# Altium PCB RS_Sensor.PcbDoc
Units mm, origin at the board's own origin, x right, y up, seen from the top; angles counter-clockwise.
Board outline 76.71 x 82.3 mm, 2 copper layers (Top Layer, Bottom Layer), stack 1.58 mm thick; 135 components, 64 nets, 407 pads, 90 vias.
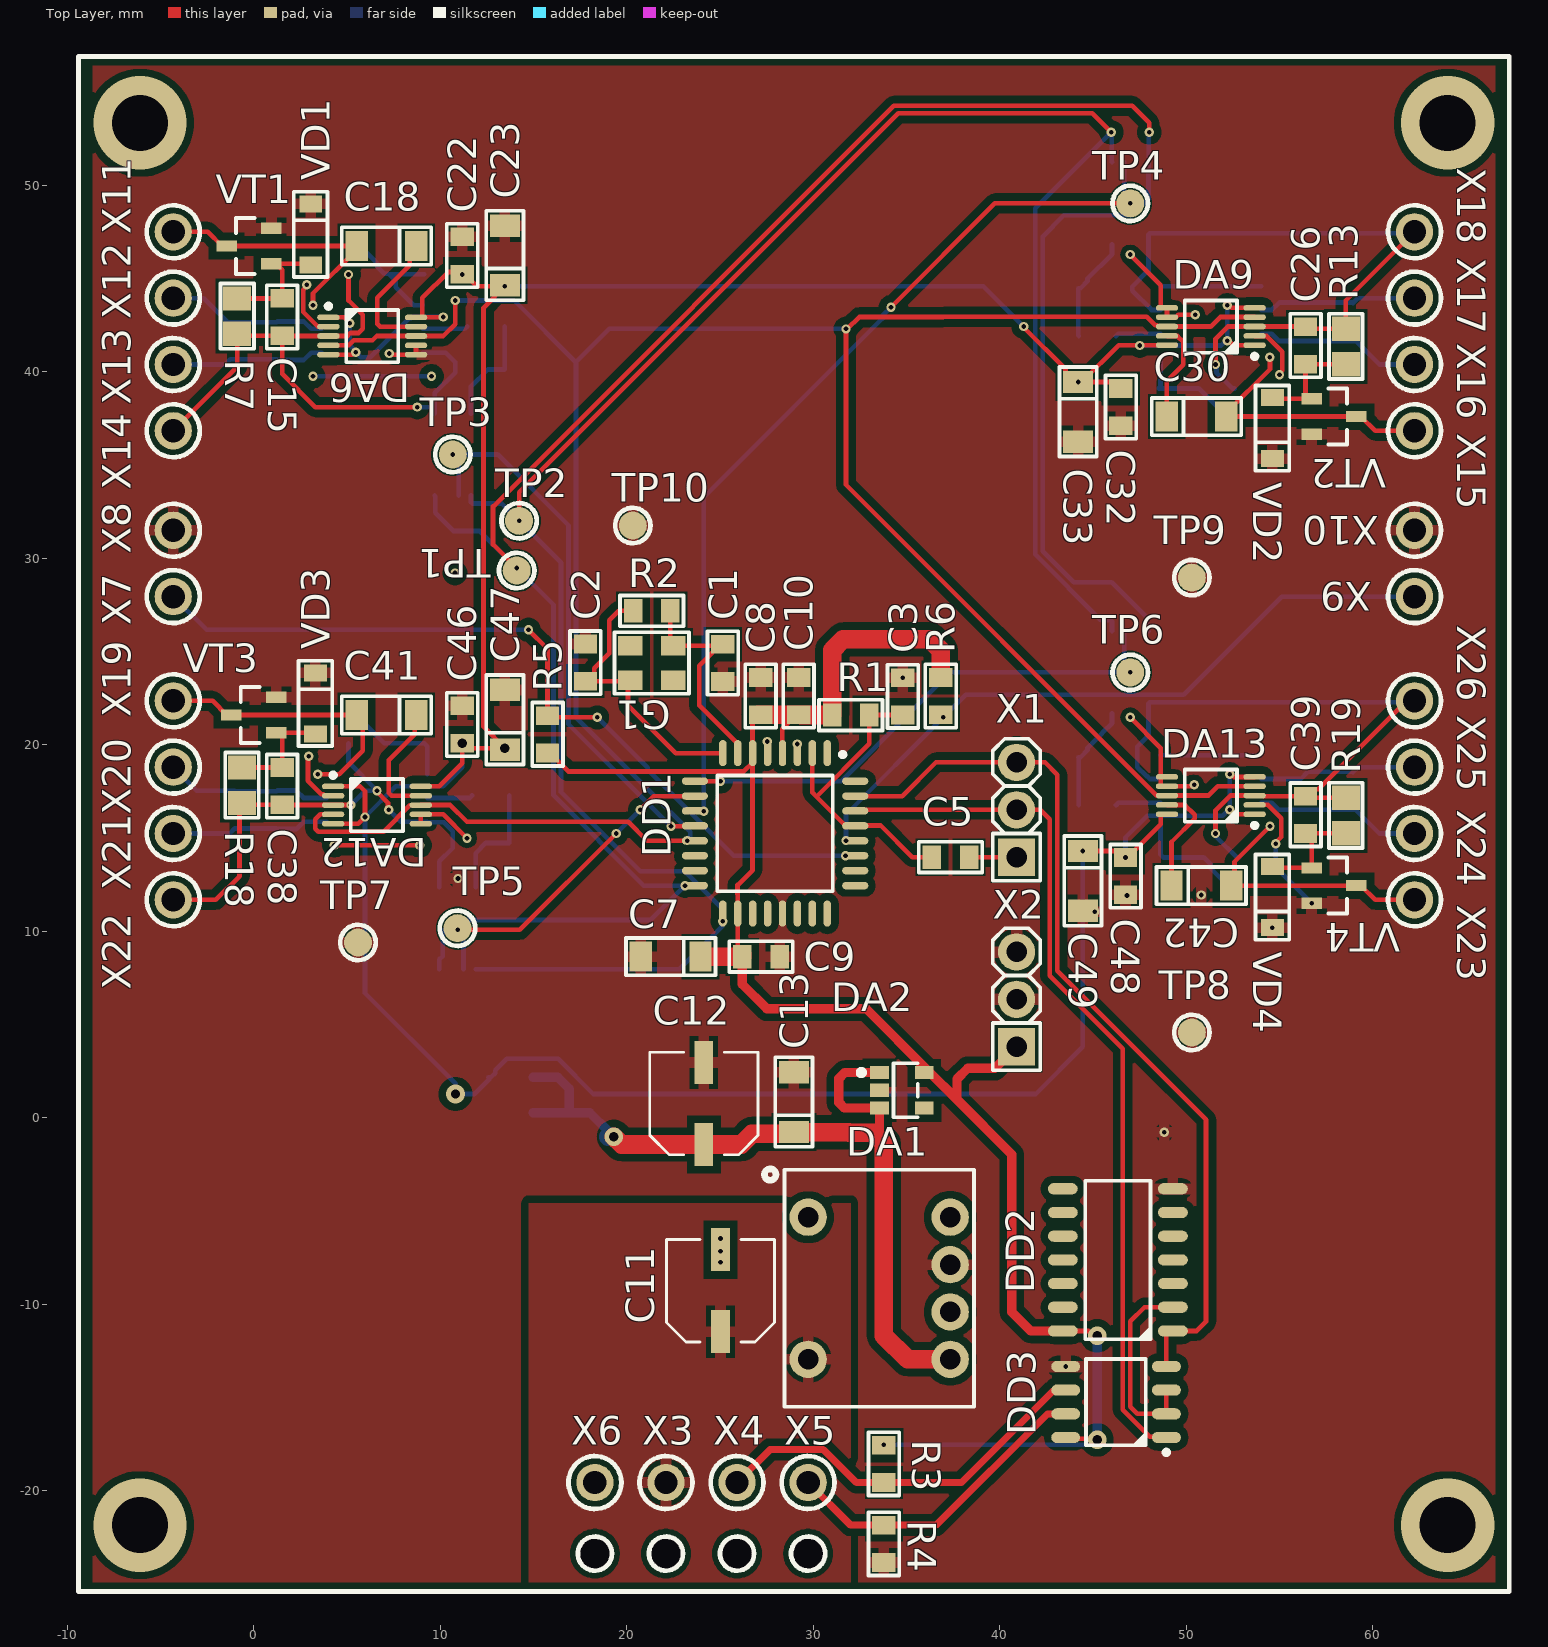
[diagram p0: Top Layer view]
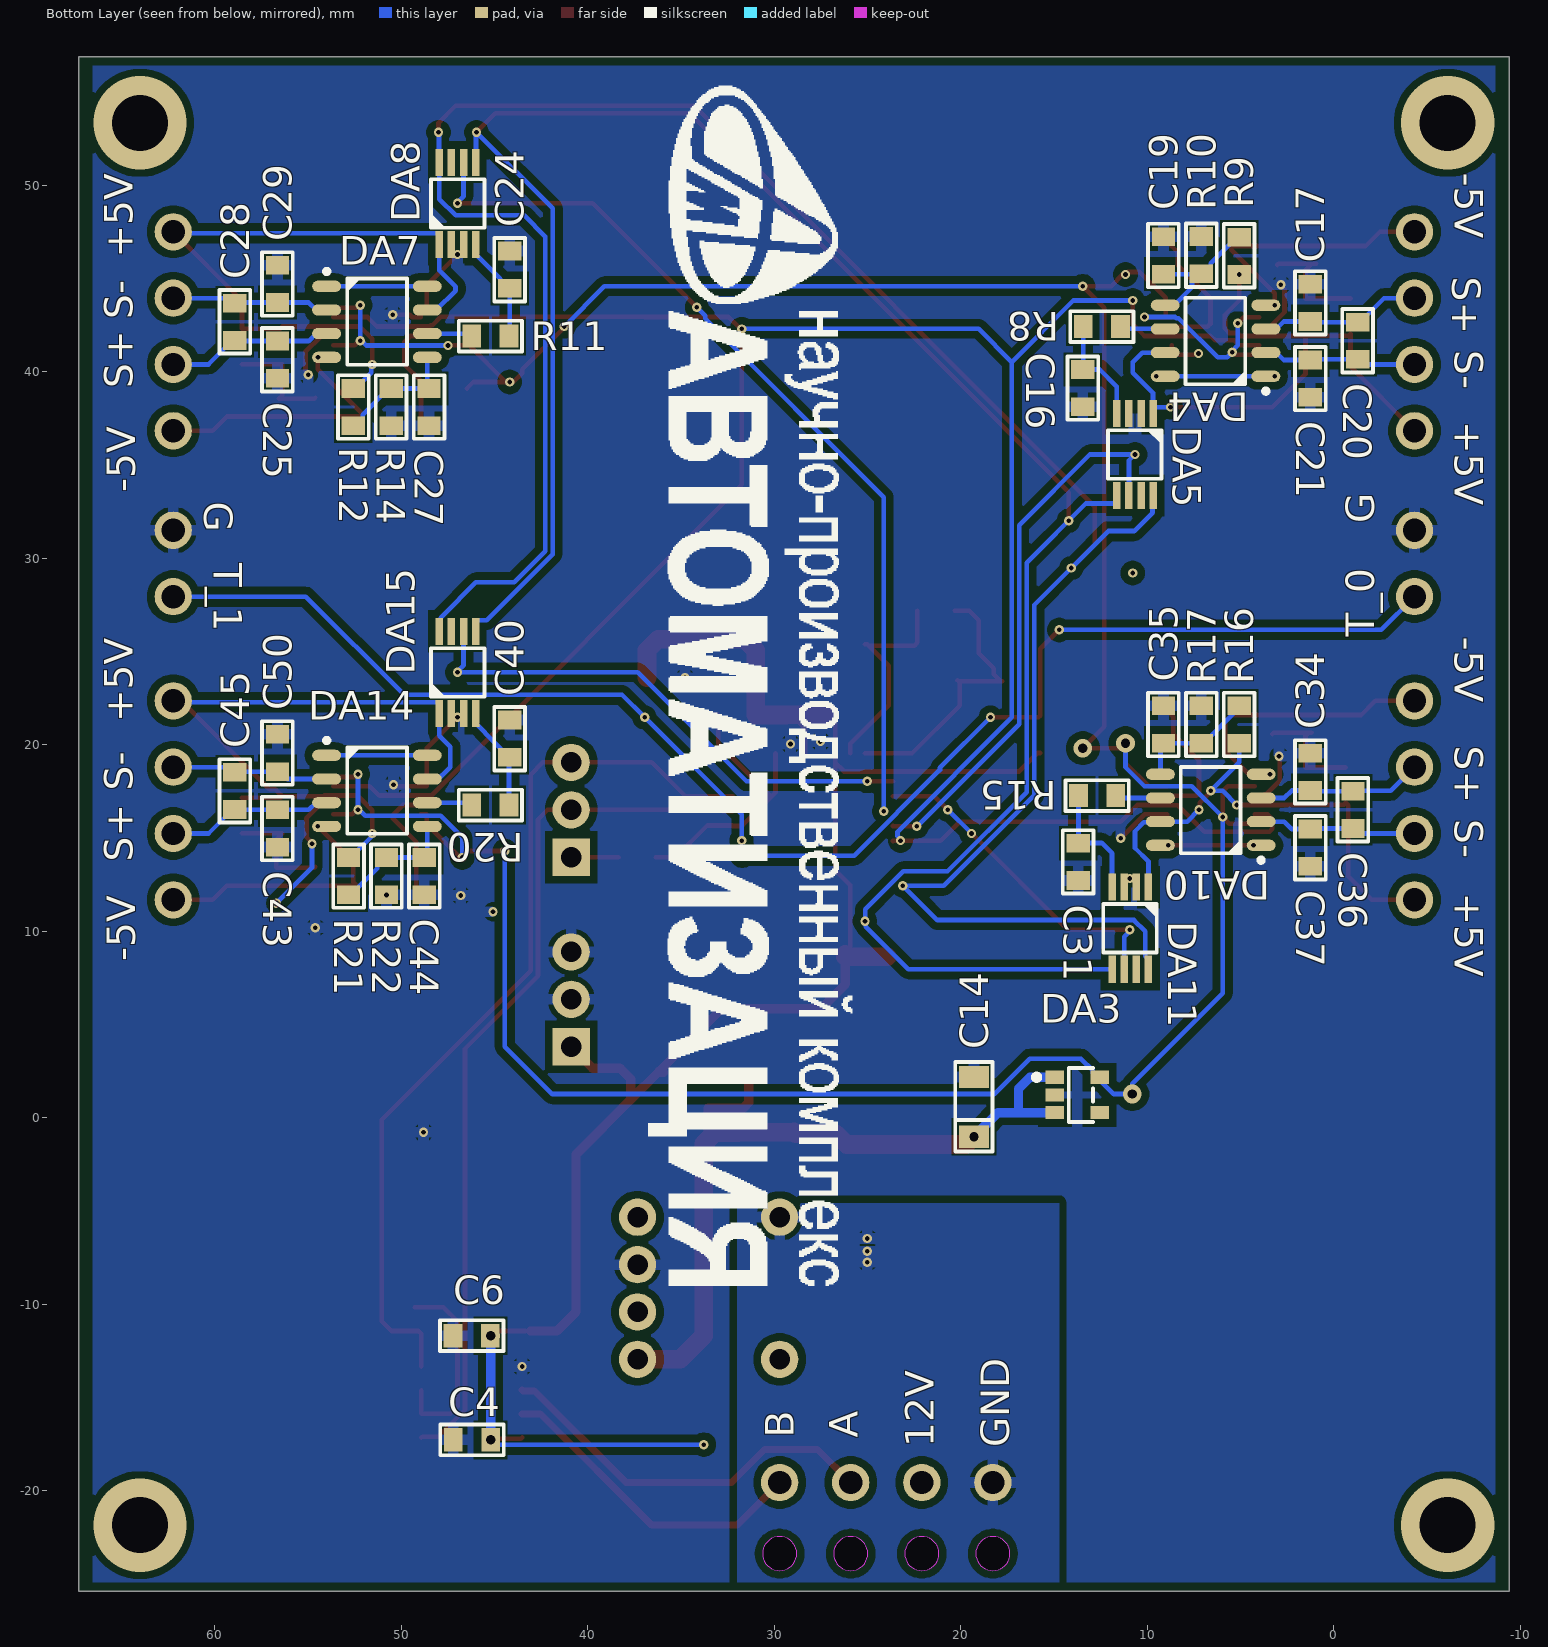
[diagram p1: Bottom Layer view, seen from below]
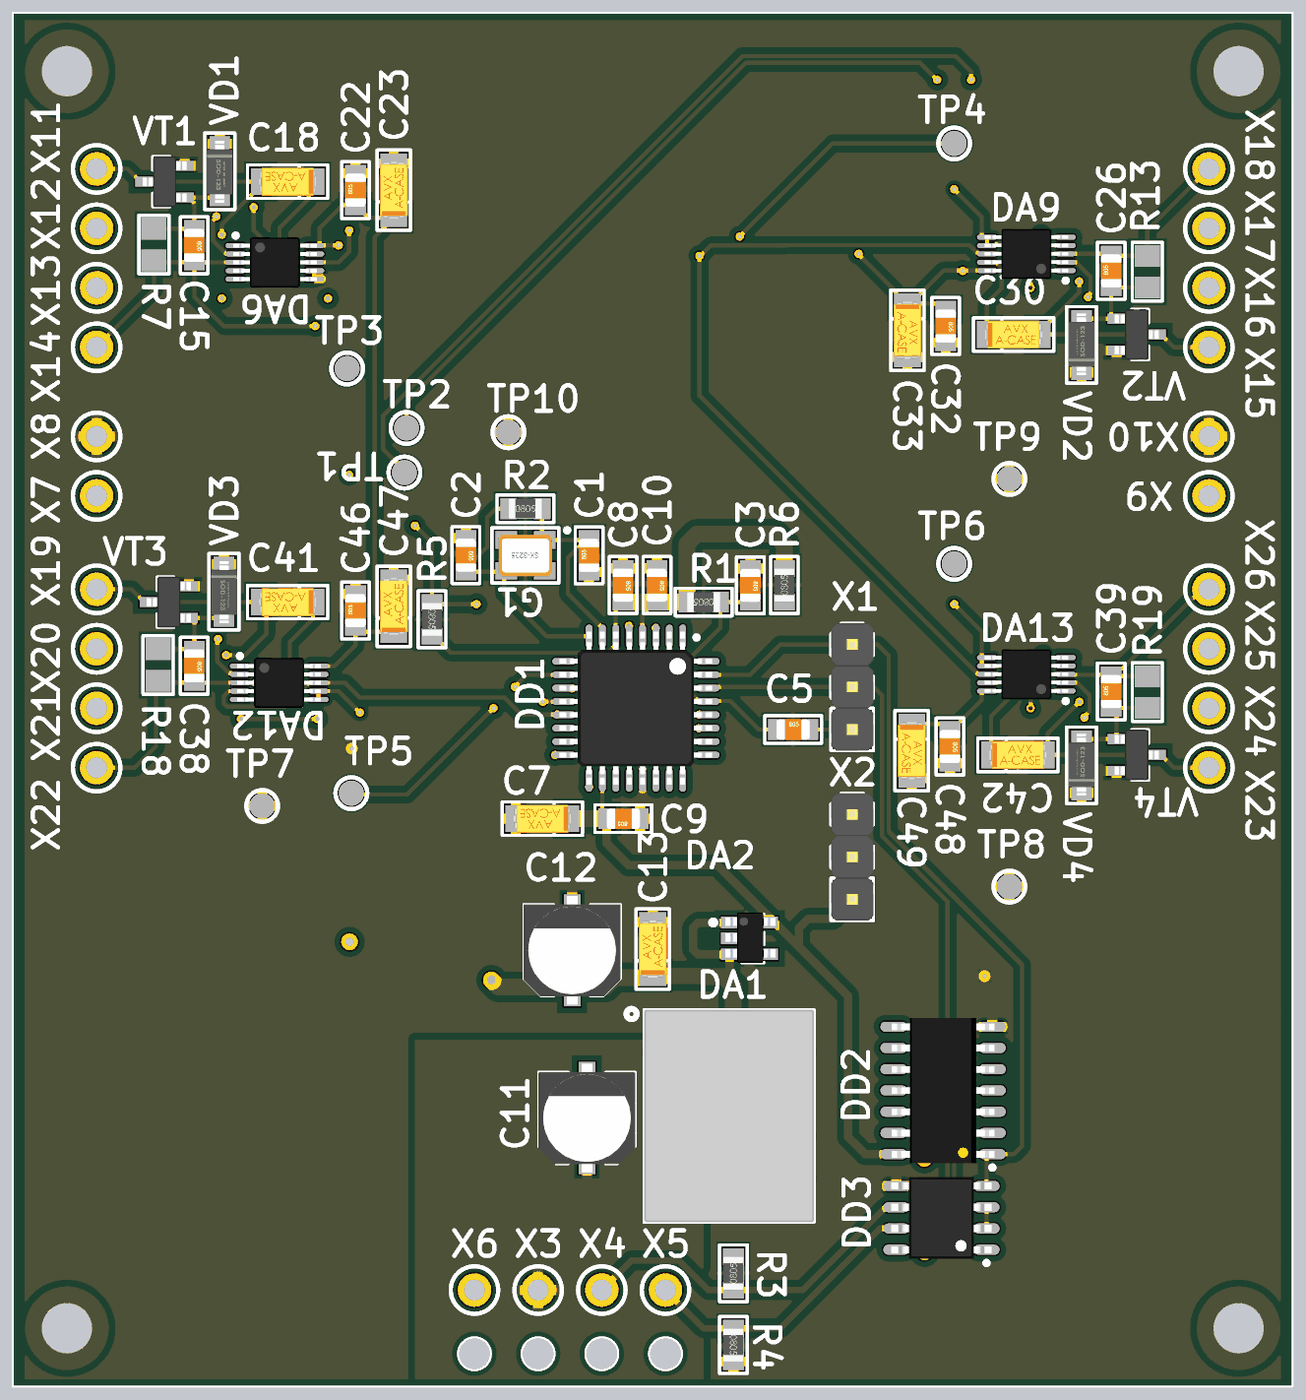
[diagram p2: 3D render of the assembled board from above, using the file's embedded part models]
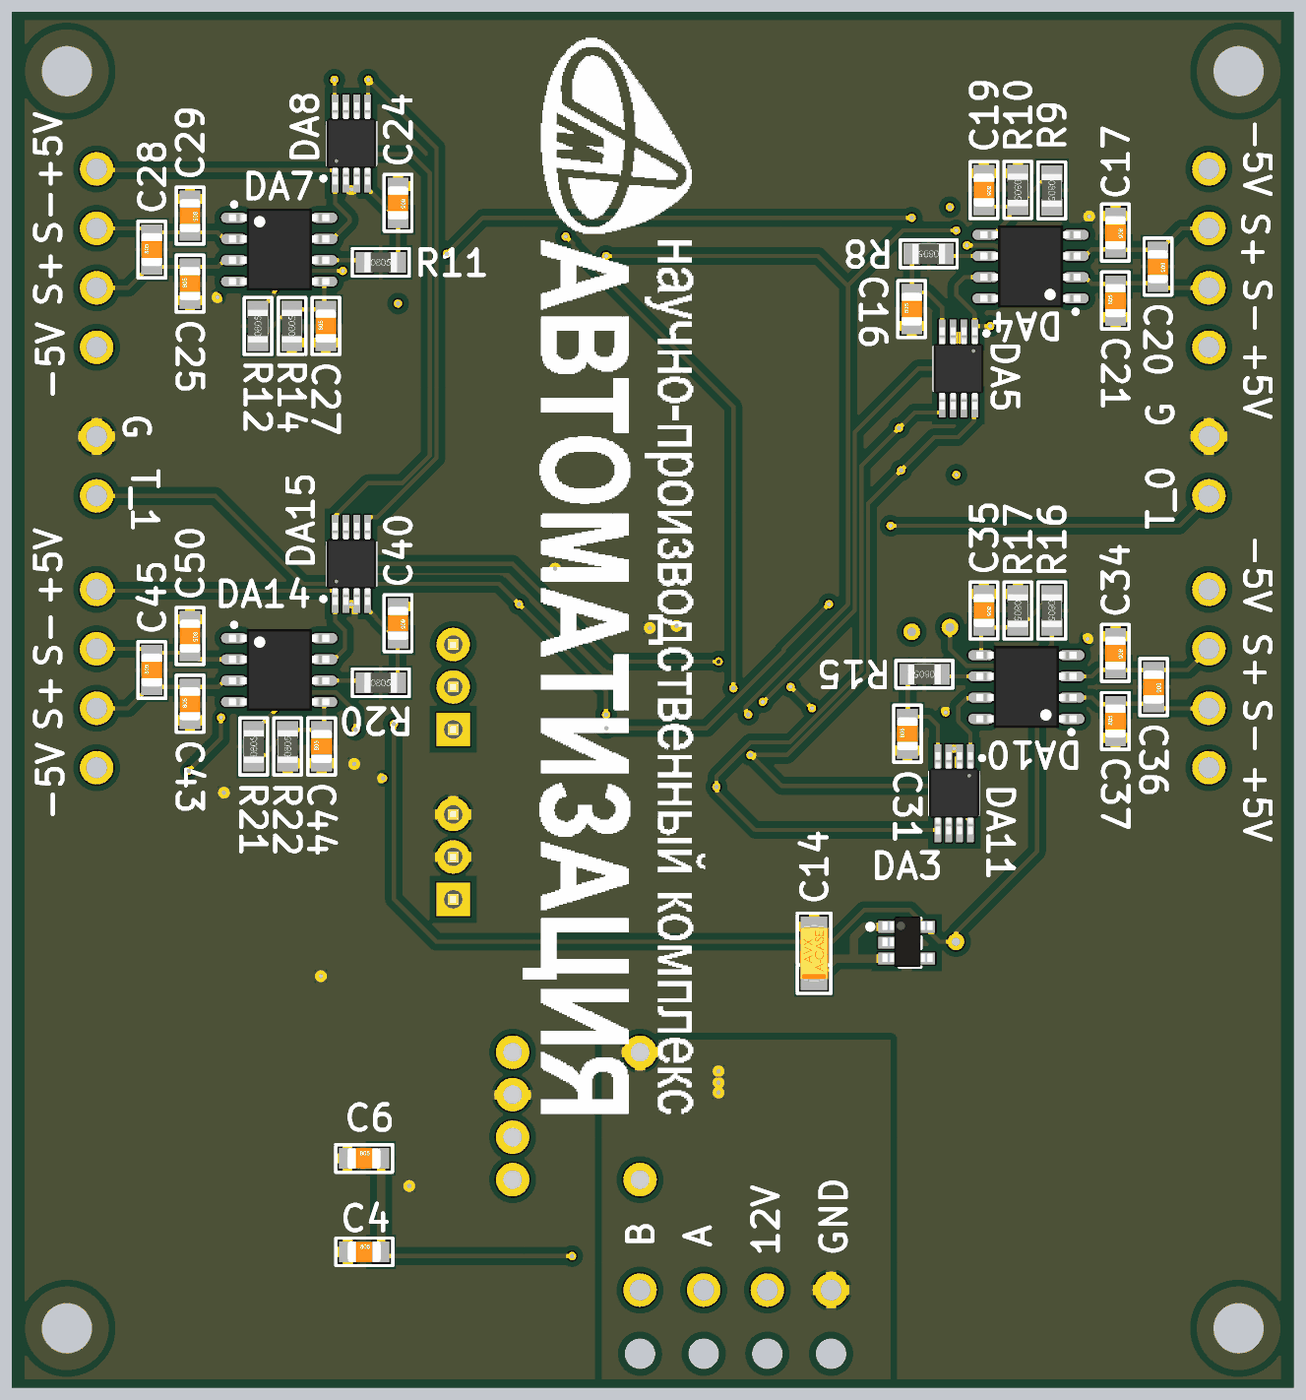
[diagram p3: 3D render of the assembled board from below, using the file's embedded part models]

## Layer stack, top to bottom
Top Solder: solder mask 0.0102, Solder Resist, Dk 3.5
Top Layer: signal copper 0.018
Dielectric1: core 1.544, FR-4, Dk 4.8
Bottom Layer: signal copper 0.018
Bottom Solder: solder mask 0.0102, Solder Resist, Dk 3.5

## Board outline
-9.398,-25.4 -9.398,56.896 67.31,56.896 67.31,-25.4
cut-out: 29.718,-24.284 cw(c29.718,-23.368) 28.802,-23.368 cw(c29.718,-23.368) 29.718,-22.452 cw(c29.718,-23.368) 30.634,-23.368 cw(c29.718,-23.368)
cut-out: 25.908,-24.284 cw(c25.908,-23.368) 24.992,-23.368 cw(c25.908,-23.368) 25.908,-22.452 cw(c25.908,-23.368) 26.824,-23.368 cw(c25.908,-23.368)
cut-out: 22.098,-24.284 cw(c22.098,-23.368) 21.182,-23.368 cw(c22.098,-23.368) 22.098,-22.452 cw(c22.098,-23.368) 23.014,-23.368 cw(c22.098,-23.368)
cut-out: 18.288,-24.284 cw(c18.288,-23.368) 17.372,-23.368 cw(c18.288,-23.368) 18.288,-22.452 cw(c18.288,-23.368) 19.204,-23.368 cw(c18.288,-23.368)

## Design rules (kind name [scope] priority, off if disabled: settings)
Clearance Clearance_CHASSIS_Keepout [InNet('CHASSIS') vs OnLayer('Keep-Out Layer')] p1: gap=0.35 ignorepadtopadclearanceinfootprint=FALSE except(0: Arc-Hole Track-Hole SMDPad-Hole THPad-Hole Via-Hole Fill-Hole Poly-Hole Region-Hole Text-Hole)
Clearance Clearance_CHASSIS [InNet('CHASSIS') vs not InNet('CHASSIS')] p2: gap=2.5 ignorepadtopadclearanceinfootprint=FALSE except(0: Arc-Hole Track-Hole SMDPad-Hole THPad-Hole Via-Hole Fill-Hole Poly-Hole Region-Hole Text-Hole)
Clearance Clearance_Poly-Board [InPolygon vs OnLayer('Keep-Out Layer')] p3: gap=0.5 ignorepadtopadclearanceinfootprint=FALSE except(0: Arc-Hole Track-Hole SMDPad-Hole THPad-Hole Via-Hole Fill-Hole Poly-Hole Region-Hole Text-Hole)
Clearance Clearance_Poly [(InPolygon)] p4: gap=0.4 ignorepadtopadclearanceinfootprint=FALSE except(0: Arc-Hole Track-Hole SMDPad-Hole THPad-Hole Via-Hole Fill-Hole Poly-Hole Region-Hole Text-Hole)
Clearance [All] p5: gap=0.15 ignorepadtopadclearanceinfootprint=FALSE except(0: Arc-Hole Track-Hole SMDPad-Hole THPad-Hole Via-Hole Fill-Hole Poly-Hole Region-Hole Text-Hole)
DiffPairsRouting DiffPair_DiffPairsRouting_D2 [InDifferentialPair ('D2')] p1: maxlimit=0.5 minlimit=0.15 mostfreqgap=0.15 toplayer_minwidth=0.381 toplayer_maxwidth=0.381 toplayer_prefwidth=0.381 bottomlayer_minwidth=0.381 bottomlayer_maxwidth=0.381 bottomlayer_prefwidth=0.381 maxuncoupledlength=12.7
DiffPairsRouting DiffPair_DiffPairsRouting_D1 [InDifferentialPair ('D1')] p2: maxlimit=0.5 minlimit=0.15 mostfreqgap=0.15 toplayer_minwidth=0.381 toplayer_maxwidth=0.381 toplayer_prefwidth=0.381 bottomlayer_minwidth=0.381 bottomlayer_maxwidth=0.381 bottomlayer_prefwidth=0.381 maxuncoupledlength=12.7
DiffPairsRouting [All] p3: maxlimit=0.5 minlimit=0.15 mostfreqgap=0.15 toplayer_minwidth=0.381 toplayer_maxwidth=0.381 toplayer_prefwidth=0.381 bottomlayer_minwidth=0.381 bottomlayer_maxwidth=0.381 bottomlayer_prefwidth=0.381 maxuncoupledlength=15
FabricationTestPointUsage TestPointUsage [All] p1: valid=0 allowmultiple=FALSE
FabricationTestpoint Testpoint [All] p1: side=3 testpointundercomponent=TRUE minsize=1.016 maxsize=2.54 preferedsize=1.524 minholesize=0 maxholesize=1.016 preferedholesize=0.813 testpointgrid=0.025 allowsidetop=TRUE allowsidebottom=TRUE usegrid=TRUE gridtolerance=0
HoleSize [All] p1: absolutevalues=TRUE maxlimit=4 minlimit=0.2 maxpercent=80.000 minpercent=20.000
MatchedLengths DiffPair_MatchedLengths_D2 [InDifferentialPair ('D2')] p1: tolerance=0.7 checknetsindiffpair=TRUE checkdiffpairvsdiffpair=FALSE checkxsignals=FALSE checkothers=FALSE
MatchedLengths DiffPair_MatchedLengths_D1 [InDifferentialPair ('D1')] p2: tolerance=0.7 checknetsindiffpair=TRUE checkdiffpairvsdiffpair=FALSE checkxsignals=FALSE checkothers=FALSE
PlaneClearance [All] p1: clearance=0.4
PlaneConnect [All] p1: planeconnectstyle=Relief reliefexpansion=0.5 reliefentries=4 reliefconductorwidth=0.6 reliefairgap=0.5
PolygonConnect PolygonConnect_2 [isPoly vs IsVia] p1: connectstyle=Direct reliefconductorwidth=0.254 reliefentries=4 polygonreliefangle="90 Angle" airgapwidth=0.254
PolygonConnect [All] p2: connectstyle=Relief reliefconductorwidth=0.6 reliefentries=4 polygonreliefangle="90 Angle" airgapwidth=0.254
RoutingVias [All] p1: holewidth=0.4 width=0.8 viastyle="Through Hole" minholewidth=0.2 minwidth=0.4 maxholewidth=0.5 maxwidth=1
SolderMaskExpansion [All] p1: expansion=0.1 istentingtop=FALSE
Width DiffPair_Width_D2 [InDifferentialPair('D2')] p1: maxlimit=0.4 minlimit=0.25 preferedwidth=0.4
Width DiffPair_Width_D1 [InDifferentialPair('D1')] p2: maxlimit=0.4 minlimit=0.25 preferedwidth=0.4
Width Width_Diff [InNetClass('Diff_Ethernet')] p3: maxlimit=0.4 minlimit=0.25 preferedwidth=0.4
Width [All] p4: maxlimit=2 minlimit=0.15 preferedwidth=0.25
24 further rules are at their usual default settings.

## Classes and differential pairs
component class U_RS_MCU: C1 C2 C3 C4 C5 C6 C7 C8 C9 C10 C11 C12 C13 C14 DA1 DA2 DA3 DD1 DD2 DD3 G1 R1 R2 R3 R4 R5 R6 X1 X2 X3 X4 X5 X6 X7 X8 X9 X10
component class U_RS_Analog: C15 C16 C17 C18 C19 C20 C21 C22 C23 C24 C25 C26 C27 C28 C29 C30 C31 C32 C33 C34 C35 C36 C37 C38 C39 C40 C41 C42 C43 C44 C45 C46 C47 C48 C49 C50 DA4 DA5 DA6 DA7 DA8 DA9 DA10 DA11 DA12 DA13 DA14 DA15 R7 R8 R9 R10 R11 R12 R13 R14 R15 R16 R17 R18 R19 R20 R21 R22 TP1 TP2 TP3 TP4 TP5 TP6 TP7 TP8 TP9 TP10 VD1 VD2 VD3 VD4 VT1 VT2 VT3 VT4 X11 X12 X13 X14 X15 X16 X17 X18 X19 X20 X21 X22 X23 X24 X25 X26
differential pair RS485: +RS485_P -RS485_N

## Components (designator, comment, footprint, x,y, rotation, side; value= is the part's Value field where it differs from the comment)
C1 "22 pF" "CAP: 0805" 25.146,24.384 r90 top
C2 "22 pF" "CAP: 0805" 17.78,24.4 r270 top
C3 "1 uF" "CAP: 0805" 34.798,22.59 r270 top
C4 "100 pF" "CAP: 0805" 46.212,-17.272 r180 bottom
C5 "0.1 uF" "CAP: 0805" 37.354,13.97 r0 top
C6 "100 pF" "CAP: 0805" 46.228,-11.684 r180 bottom
C7 "TAJA106K016RNJ" "CAP: TANTAL-A" 22.352,8.636 r180 top
C8 "100 pF" "CAP: 0805" 27.178,22.606 r270 top
C9 "100 pF" "CAP: 0805" 27.194,8.636 r180 top
C10 "100 pF" "CAP: 0805" 29.21,22.606 r270 top
C11 "VES101M1ETR-0607" CAPAE-C 25.019,-9.271 r90 top
C12 "VES470M1ETR-0605" CAPAE-C 24.13,0.762 r90 top
C13 "TAJA106K016RNJ" "CAP: TANTAL-A" 28.956,0.838 r90 top
C14 "TAJA106K016RNJ" "CAP: TANTAL-A" 19.304,0.584 r90 bottom
C15 "3.3 uF" "CAP: 0805" 1.524,42.926 r270 top
C16 "3.3 uF" "CAP: 0805" 13.462,39.116 r90 bottom
C17 "2.2 nF" "CAP: 0805" 1.27,43.688 r270 bottom
C18 "TAJA105K016RNJ" "CAP: TANTAL-A" 7.112,46.736 r180 top
C19 "3.3 uF" "CAP: 0805" 9.144,46.228 r270 bottom
C20 "1.5 nF" "CAP: 0805" -1.27,41.656 r270 bottom
C21 "2.2 nF" "CAP: 0805" 1.27,39.624 r90 bottom
C22 "3.3 uF" "CAP: 0805" 11.176,46.228 r90 top
C23 "TAJA105K016RNJ" "CAP: TANTAL-A" 13.462,46.228 r90 top
C24 "3.3 uF" "CAP: 0805" 44.196,45.466 r270 bottom
C25 "2.2 nF" "CAP: 0805" 56.642,40.64 r90 bottom
C26 "3.3 uF" "CAP: 0805" 56.388,41.402 r90 top
C27 "3.3 uF" "CAP: 0805" 48.514,38.1 r90 bottom
C28 "1.5 nF" "CAP: 0805" 58.928,42.672 r90 bottom
C29 "2.2 nF" "CAP: 0805" 56.642,44.704 r270 bottom
C30 "TAJA105K016RNJ" "CAP: TANTAL-A" 50.546,37.592 r0 top
C31 "3.3 uF" "CAP: 0805" 13.716,13.716 r90 bottom
C32 "3.3 uF" "CAP: 0805" 46.482,38.1 r270 top
C33 "TAJA105K016RNJ" "CAP: TANTAL-A" 44.196,37.846 r270 top
C34 "2.2 nF" "CAP: 0805" 1.27,18.542 r270 bottom
C35 "3.3 uF" "CAP: 0805" 9.144,21.082 r270 bottom
C36 "1.5 nF" "CAP: 0805" -1.016,16.51 r270 bottom
C37 "2.2 nF" "CAP: 0805" 1.27,14.478 r90 bottom
C38 "3.3 uF" "CAP: 0805" 1.524,17.78 r270 top
C39 "3.3 uF" "CAP: 0805" 56.388,16.24 r90 top
C40 "3.3 uF" "CAP: 0805" 44.196,20.32 r270 bottom
C41 "TAJA105K016RNJ" "CAP: TANTAL-A" 7.112,21.59 r180 top
C42 "TAJA105K016RNJ" "CAP: TANTAL-A" 50.8,12.446 r0 top
C43 "2.2 nF" "CAP: 0805" 56.642,15.51 r90 bottom
C44 "3.3 uF" "CAP: 0805" 48.768,12.954 r90 bottom
C45 "1.5 nF" "CAP: 0805" 58.928,17.526 r90 bottom
C46 "3.3 uF" "CAP: 0805" 11.176,21.082 r90 top
C47 "TAJA105K016RNJ" "CAP: TANTAL-A" 13.462,21.336 r90 top
C48 "3.3 uF" "CAP: 0805" 46.736,12.954 r270 top
C49 "TAJA105K016RNJ" "CAP: TANTAL-A" 44.45,12.7 r270 top
C50 "2.2 nF" "CAP: 0805" 56.642,19.558 r270 bottom
DA1 "AM1P-1207SZ" MOD_AM1P-Z 36.068,-7.874 r270 top
DA2 "LP2981IM5-5.0" SOT-23-5 34.798,1.524 r270 top
DA3 "LP2981IM5-5.0" SOT-23-5 13.716,1.27 r270 bottom
DA4 "INA141UA" 8-SOIC 6.35,41.656 r0 bottom
DA5 "AD7680ARMZ" 8-MSOP 10.668,35.56 r0 bottom
DA6 "ADG884BRMZ" 10-MSOP 6.35,41.91 r0 top
DA7 "INA141UA" 8-SOIC 51.308,42.672 r180 bottom
DA8 "AD7680ARMZ" 8-MSOP 46.99,49.022 r180 bottom
DA9 "ADG884BRMZ" 10-MSOP 51.308,42.418 r180 top
DA10 "INA141UA" 8-SOIC 6.604,16.51 r0 bottom
DA11 "AD7680ARMZ" 8-MSOP 10.922,10.16 r0 bottom
DA12 "ADG884BRMZ" 10-MSOP 6.604,16.764 r0 top
DA13 "ADG884BRMZ" 10-MSOP 51.308,17.272 r180 top
DA14 "INA141UA" 8-SOIC 51.308,17.526 r180 bottom
DA15 "AD7680ARMZ" 8-MSOP 46.99,23.876 r180 bottom
DD1 "ATMEGA32P" 32-LQFP 27.946,15.247 r270 top
DD2 "74HC04D" 14-SOIC 49.276,-11.43 r180 top
DD3 "SP485EN" 8-SOIC 46.228,-15.24 r180 top
G1 "SMD03225C4-16000" "OSC: 3225" 21.336,24.384 r180 top
R1 "10 kOhm" "RES: 0805" 32.004,21.59 r180 top
R2 "1 MOhm" "RES: 0805" 21.336,27.178 r0 top
R3 "4.7 kOhm" "RES: 0805" 33.782,-18.558 r90 top
R4 "4.7 kOhm" "RES: 0805" 33.782,-22.844 r270 top
R5 "10 kOhm" "RES: 0805" 15.748,20.558 r270 top
R6 "10 kOhm" "RES: 0805" 36.83,22.606 r90 top
R7 "100 kOhm" RES_0805 -0.762,42.926 r90 top
R8 "51 Ohm" "RES: 0805" 12.446,42.418 r0 bottom
R9 "750 Ohm" "RES: 0805" 5.08,46.212 r270 bottom
R10 "100 Ohm" "RES: 0805" 7.112,46.244 r270 bottom
R11 "51 Ohm" "RES: 0805" 45.228,41.91 r180 bottom
R12 "750 Ohm" "RES: 0805" 52.578,38.1 r90 bottom
R13 "100 kOhm" RES_0805 58.42,41.402 r270 top
R14 "100 Ohm" "RES: 0805" 50.546,38.1 r90 bottom
R15 "51 Ohm" "RES: 0805" 12.7,17.272 r0 bottom
R16 "750 Ohm" "RES: 0805" 5.08,21.082 r270 bottom
R17 "100 Ohm" "RES: 0805" 7.112,21.082 r270 bottom
R18 "100 kOhm" RES_0805 -0.508,17.78 r90 top
R19 "100 kOhm" RES_0805 58.42,16.256 r270 top
R20 "51 Ohm" "RES: 0805" 45.228,16.764 r180 bottom
R21 "750 Ohm" "RES: 0805" 52.832,12.954 r90 bottom
R22 "100 Ohm" "RES: 0805" 50.8,12.954 r90 bottom
TP1 "TestPoint" TestPoint 14.097,29.337 r0 top
TP2 "TestPoint" TestPoint 14.224,32.004 r0 top
TP3 "TestPoint" TestPoint 10.668,35.56 r0 top
TP4 "TestPoint" TestPoint 46.99,49.022 r0 top
TP5 "TestPoint" TestPoint 10.922,10.16 r0 top
TP6 "TestPoint" TestPoint 46.99,23.876 r0 top
TP7 "TestPoint" TestPoint 5.588,9.398 r0 top
TP8 "TestPoint" TestPoint 50.292,4.572 r0 top
TP9 "TestPoint" TestPoint 50.292,28.956 r0 top
TP10 "TestPoint" TestPoint 20.32,31.75 r90 top
VD1 "MMSZ5222BT1G" "DIODE: SOD123" 3.048,45.72 r90 top
VD2 "MMSZ5222BT1G" "DIODE: SOD123" 54.61,38.608 r270 top
VD3 "MMSZ5222BT1G" "DIODE: SOD123" 3.302,20.574 r90 top
VD4 "MMSZ5222BT1G" "DIODE: SOD123" 54.61,13.462 r270 top
VT1 "BC807-25LT1G" SOT23 -0.254,46.736 r180 top
VT2 "BC807-25LT1G" SOT23 57.912,37.592 r0 top
VT3 "BC807-25LT1G" SOT23 0,21.59 r180 top
VT4 "BC807-25LT1G" SOT23 57.912,12.446 r0 top
X1 "PLS-1X3Pin 2.54" "CON: PLS-3" 40.894,16.51 r90 top
X2 "PLS-1X3Pin 2.54" "CON: PLS-3" 40.894,6.35 r90 top
X3 "PowerSingleHole" PowerSingle 22.098,-19.558 r0 top
X4 "PowerSingleHole" PowerSingle 25.908,-19.558 r0 top
X5 "PowerSingleHole" PowerSingle 29.718,-19.558 r0 top
X6 "PowerSingleHole" PowerSingle 18.288,-19.558 r0 top
X7 "PowerSingleHole" PowerSingle -4.318,27.94 r0 top
X8 "PowerSingleHole" PowerSingle -4.318,31.496 r0 top
X9 "PowerSingleHole" PowerSingle 62.23,27.94 r0 top
X10 "PowerSingleHole" PowerSingle 62.23,31.496 r0 top
X11 "*" PowerSingle -4.318,47.498 r0 top
X12 "*" PowerSingle -4.318,43.942 r0 top
X13 "*" PowerSingle -4.318,40.386 r0 top
X14 "*" PowerSingle -4.318,36.83 r0 top
X15 "*" PowerSingle 62.23,36.83 r180 top
X16 "*" PowerSingle 62.23,40.386 r180 top
X17 "*" PowerSingle 62.23,43.942 r180 top
X18 "*" PowerSingle 62.23,47.498 r180 top
X19 "*" PowerSingle -4.318,22.352 r0 top
X20 "*" PowerSingle -4.318,18.796 r0 top
X21 "*" PowerSingle -4.318,15.24 r0 top
X22 "*" PowerSingle -4.318,11.684 r0 top
X23 "*" PowerSingle 62.23,11.684 r180 top
X24 "*" PowerSingle 62.23,15.24 r180 top
X25 "*" PowerSingle 62.23,18.796 r180 top
X26 "*" PowerSingle 62.23,22.352 r180 top